# Altium PCB DSP_FPGA.PcbDoc (part 1 of 7) (continued)
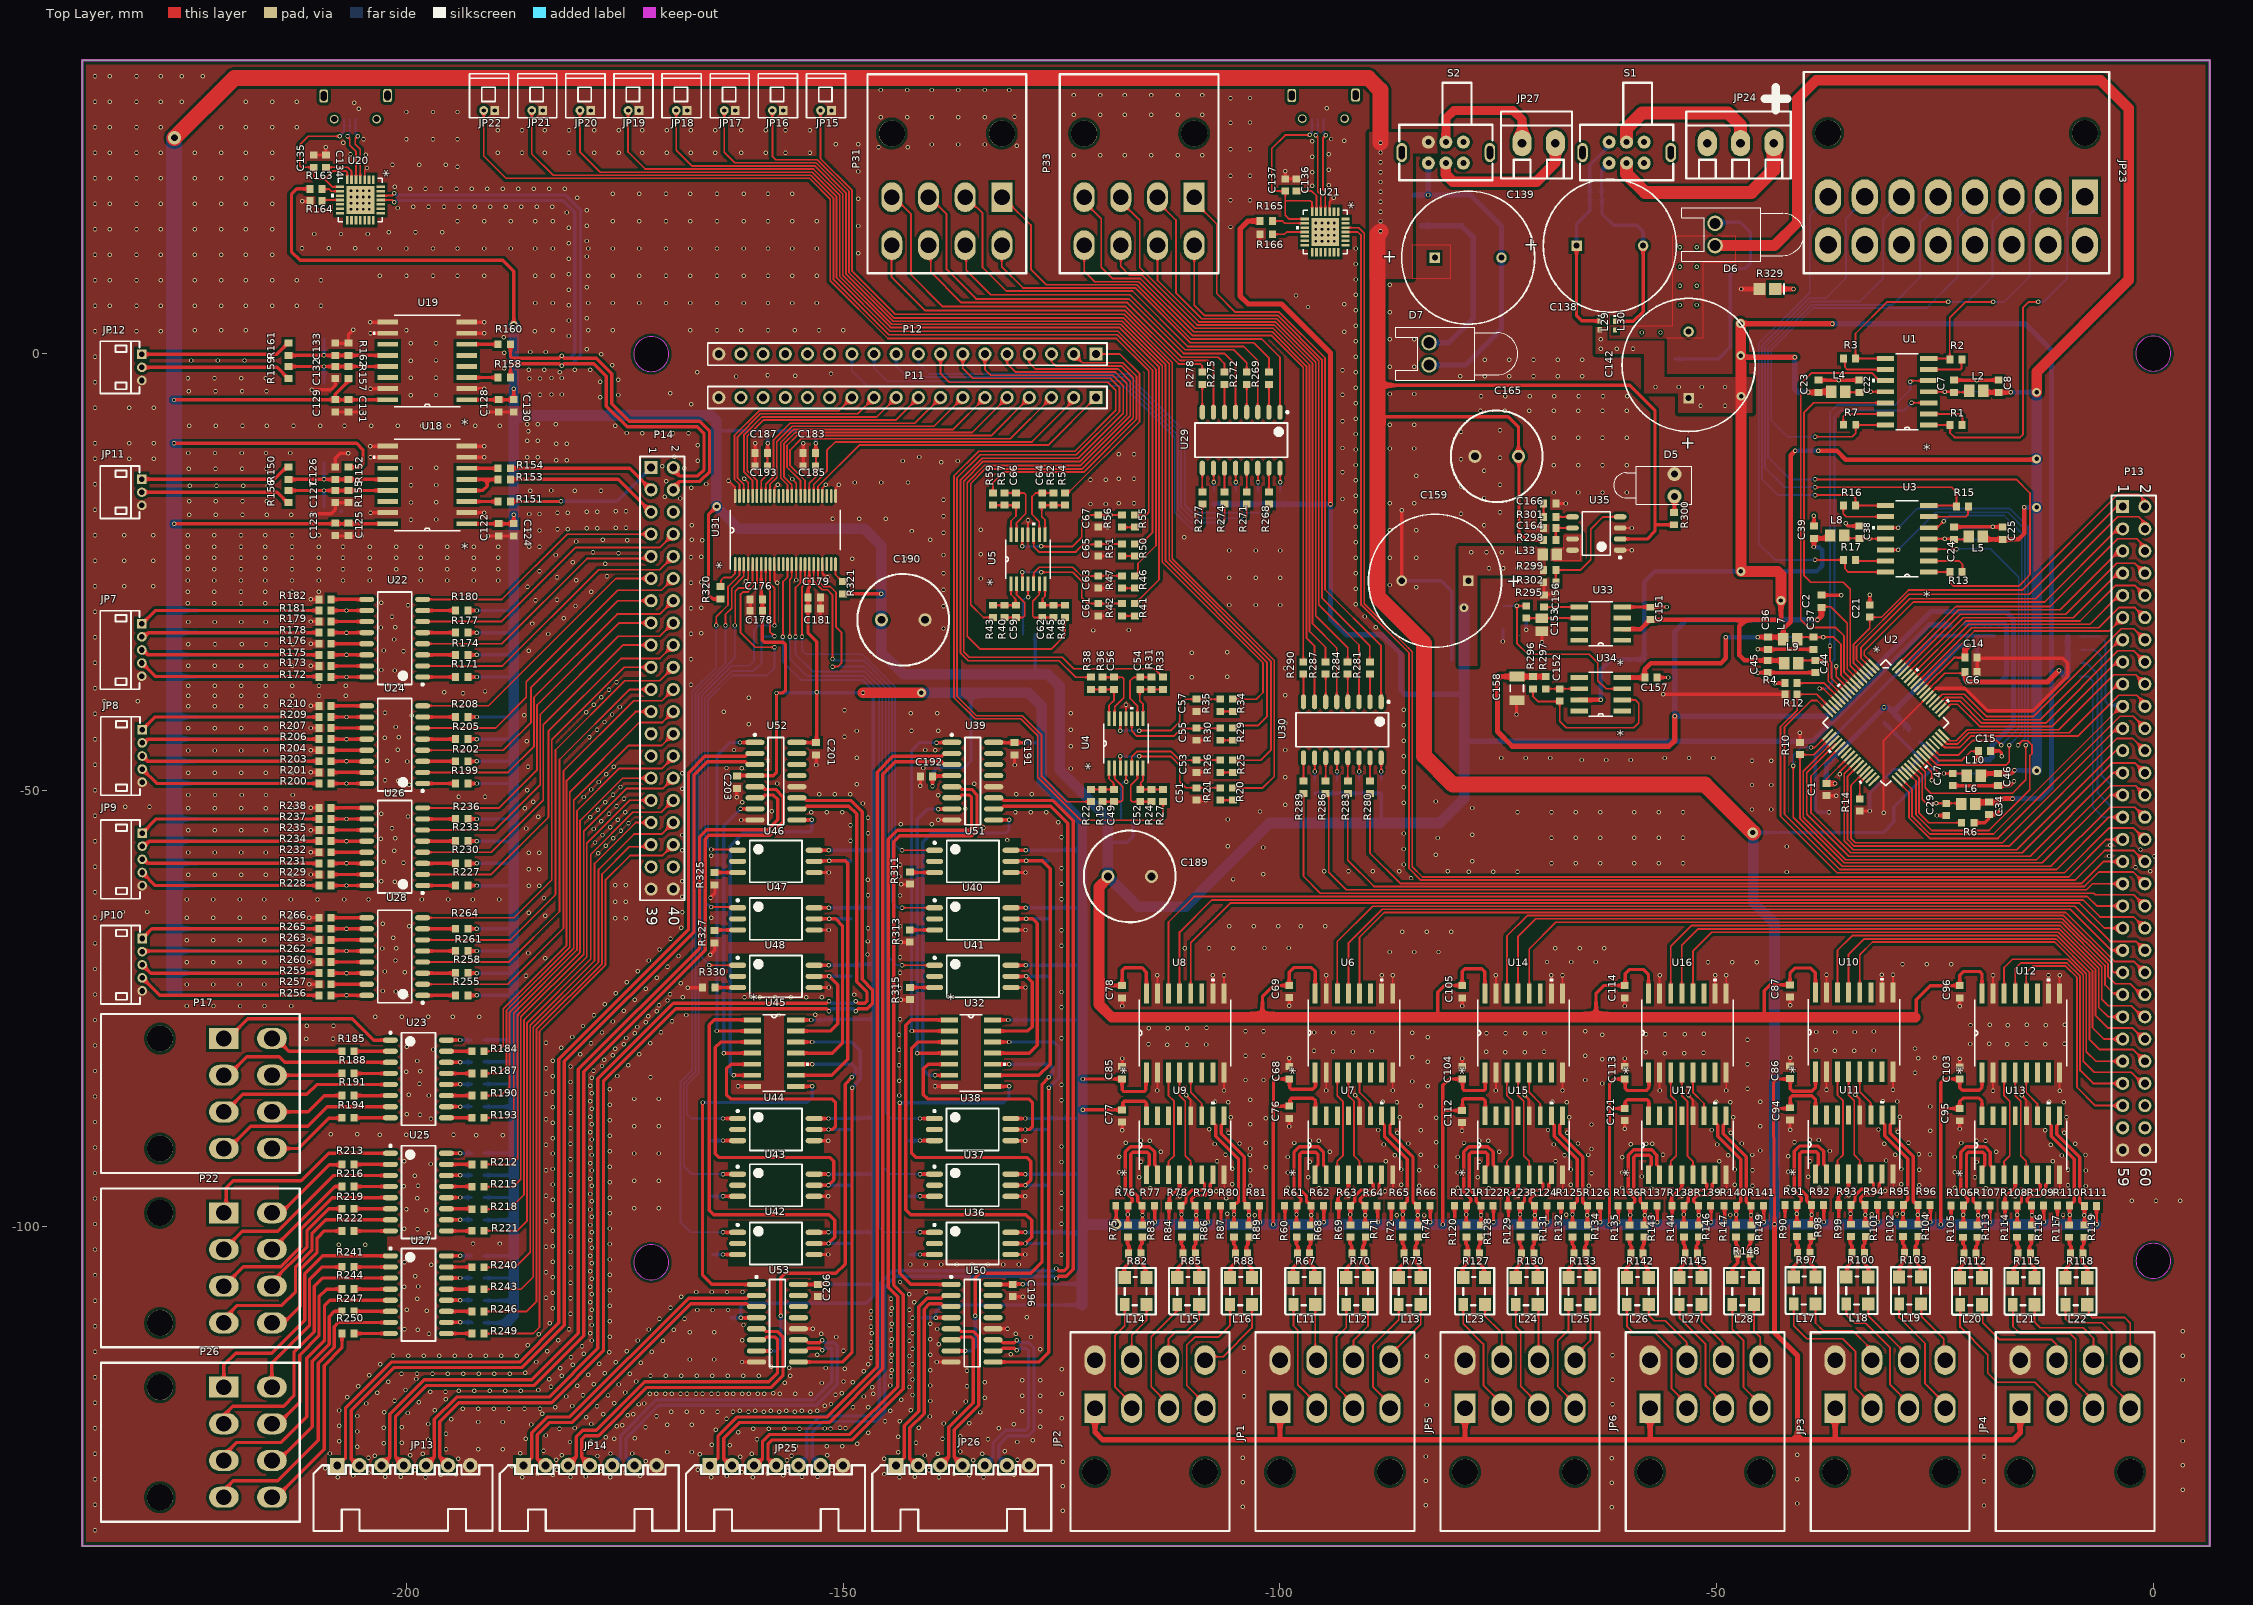
[diagram p0: Top Layer view]
## Components (designator, comment, footprint, x,y, rotation, side; value= is the part's Value field where it differs from the comment) (continued)
C140 "Cap" 1608[0603] -85.317,18.166 r180 bottom value=0.1uF
C141 "Cap" 1608[0603] -129.642,-77.002 r90 bottom value=0.1uF
C142 "Cap Pol1" RB7.6-15 -53.213,-1.295 r270 top value=100uF
C143 "Cap" 1608[0603] -63.83,18.047 r180 bottom value=0.1uF
C150 "Cap" 1608[0603] -57.582,-35.027 r180 bottom value=0.1uF
C151 "Cap" 1608[0603] -57.556,-29.743 r270 top value=1uF
C152 "Cap" 1608[0603] -67.97,-39.079 r270 top value=0.01uF
C153 "Cap" C0805 -70.028,-31.04 r90 top value=22uF
C154 "Cap" C1206 -74.447,-30.24 r90 bottom value=47uF
C155 "Cap" 1608[0603] -71.806,-29.59 r90 bottom value=0.1uF
C156 "Cap" 1608[0603] -69.778,-28.319 r270 top value=1uF
C157 "Cap" 1608[0603] -57.531,-37.084 r180 top value=0.1uF
C158 "Cap" C1206 -72.873,-38.329 r90 top value=47uF
C159 "Cap Pol1" RB7.6-15 -82.245,-26.01 r0 top value=470uF@16V
C160 "Cap" 1608[0603] -79.629,-30.307 r0 bottom value=10uF
C161 "Cap" 1608[0603] -79.629,-31.721 r0 bottom value=0.11uF
C162 "Cap" C0805 -79.629,-33.393 r0 bottom value=22uF@16V
C163 "Cap" 1608[0603] -79.629,-35.057 r0 bottom value=1uF
C164 "Cap" 1608[0603] -69.113,-19.964 r0 top value=1uF
C165 "Cap Pol1" RB5-10.5 -75.184,-11.76 r180 top value=22uF@16V
C166 "Cap" 1608[0603] -69.113,-17.17 r180 top value=1nF
C167 "Cap" 1608[0603] -62.382,2.692 r180 bottom value=0.1uF
C168 "Cap" 1608[0603] -125.095,-101.192 r90 bottom value=0.1uF
C169 "Cap" 1608[0603] -125.095,-94.525 r90 bottom value=0.1uF
C170 "Cap" 1608[0603] -125.095,-88.149 r90 bottom value=0.1uF
C171 "Cap" 1608[0603] -125.095,-57.443 r90 bottom value=0.1uF
C172 "Cap" 1608[0603] -125.095,-64.027 r90 bottom value=0.1uF
C173 "Cap" 1608[0603] -125.095,-70.611 r90 bottom value=0.1uF
C174 "Cap" 1608[0603] -147.637,-101.192 r90 bottom value=0.1uF
C175 "Cap" 1608[0603] -147.637,-94.525 r90 bottom value=0.1uF
C176 "Cap" 1608[0603] -159.969,-28.172 r180 top value=0.1uF
C177 "Cap" 1608[0603] -147.637,-88.149 r90 bottom value=0.1uF
C178 "Cap" 1608[0603] -159.969,-29.442 r180 top value=1uF
C179 "Cap" 1608[0603] -153.34,-27.927 r0 top value=0.1uF
C180 "Cap" 1608[0603] -147.637,-57.443 r90 bottom value=0.1uF
C181 "Cap" 1608[0603] -153.34,-29.197 r0 top value=1uF
C182 "Cap" 1608[0603] -152.184,-76.989 r90 bottom value=0.1uF
C183 "Cap" 1608[0603] -153.892,-11.392 r180 top value=0.1uF
C184 "Cap" 1608[0603] -147.637,-64.027 r90 bottom value=0.1uF
C185 "Cap" 1608[0603] -153.892,-12.916 r180 top value=1uF
C186 "Cap" 1608[0603] -147.637,-70.611 r90 bottom value=0.1uF
C187 "Cap" 1608[0603] -159.392,-11.392 r180 top value=0.1uF
C189 "Cap Pol1" RB5-10.5 -117.21,-59.868 r0 top value=22uF@16V
C190 "Cap Pol1" RB5-10.5 -143.142,-30.48 r0 top value=22uF@16V
C191 "Cap" 1608[0603] -130.391,-45.252 r90 top value=0.1uF
C192 "Cap" 1608[0603] -140.487,-48.412 r180 top value=0.1uF (schematic designator C104)
C193 "Cap" 1608[0603] -159.392,-12.916 r180 top value=0.1uF (schematic designator C105)
C196 "Cap" 1608[0603] -130.594,-107.278 r90 top value=10uF (schematic designator C108)
C198 "Cap" 1608[0603] -140.906,-111.088 r270 bottom value=10uF (schematic designator C110)
C201 "Cap" 1608[0603] -153.111,-45.252 r90 top value=0.1uF (schematic designator C113)
C203 "Cap" 1608[0603] -162.166,-49.073 r270 top value=10uF (schematic designator C115)
C206 "Cap" 1608[0603] -152.883,-107.278 r270 top value=10uF (schematic designator C118)
C207 "Cap" 1608[0603] -162.852,-111.088 r90 bottom value=10uF (schematic designator C119)
D1 "P6SMB6.8" DIODE_SMC -204.851,-11.735 r180 bottom
D2 "P6SMB6.8" DIODE_SMC -204.851,-18.136 r180 bottom
D3 "P6SMB6.8" DIODE_SMC -204.851,-4.14 r180 bottom
D4 "P6SMB6.8" DIODE_SMC -204.851,2.464 r180 bottom
D5 "LED@5V" LED-1 -54.826,-15.075 r180 top
D6 "LED0" LED-0 -50.178,13.64 r90 top
D7 "LED0" LED-0 -82.931,-0.025 r90 top
J1 "MICRO-USB-B" MICRO-USB-B -200.648,25.581 r180 bottom
J2 "MICRO-USB-B" MICRO-USB-B -89.802,25.629 r180 bottom
JP1 "Header 4X2" CONNECTOR5569R -99.991,-120.752 r0 top
JP2 "Header 4X2" CONNECTOR5569R -121.176,-120.752 r0 top
JP3 "Header 4X2" CONNECTOR5569R -36.434,-120.752 r0 top
JP4 "Header 4X2" CONNECTOR5569R -15.249,-120.752 r0 top
JP5 "Header 4X2" CONNECTOR5569R -78.805,-120.752 r0 top
JP6 "Header 4X2" CONNECTOR5569R -57.62,-120.752 r0 top
JP7 "HDR-1X5" ZH1.5-WI-5P -230.327,-33.936 r270 top
JP8 "HDR-1X5" ZH1.5-WI-5P -230.28,-46.076 r270 top
JP9 "HDR-1X5" ZH1.5-WI-5P -230.276,-57.912 r270 top
JP10 "HDR-1X5" ZH1.5-WI-5P -230.28,-69.977 r270 top
JP11 "HDR-1X3" ZH1.5-WI-3P -230.327,-15.875 r270 top
JP12 "HDR-1X3" ZH1.5-WI-3P -230.327,-1.575 r270 top
JP13 "HDR-1X7" XH2.54-WI-7P -200.33,-127.299 r0 top
JP14 "HDR-1X7" XH2.54-WI-7P -179.002,-127.299 r0 top
JP15 "HDR-1X2" "MX 1.25-WI-2P" -151.984,27.843 r180 top
JP16 "HDR-1X2" "MX 1.25-WI-2P" -157.493,27.843 r180 top
JP17 "HDR-1X2" "MX 1.25-WI-2P" -163.003,27.843 r180 top
JP18 "HDR-1X2" "MX 1.25-WI-2P" -168.512,27.843 r180 top
JP19 "HDR-1X2" "MX 1.25-WI-2P" -174.022,27.843 r180 top
JP20 "HDR-1X2" "MX 1.25-WI-2P" -179.532,27.843 r180 top
JP21 "HDR-1X2" "MX 1.25-WI-2P" -185.041,27.843 r180 top
JP22 "HDR-1X2" "MX 1.25-WI-2P" -190.551,27.843 r180 top
JP23 "Header 8X2" CONNECTOR558916PIN -7.834,17.957 r180 top
JP24 "HDR-1X3" KF128-3.81-3P -47.257,24.092 r0 top
JP25 "HDR-1X7" XH2.54-WI-7P -157.675,-127.299 r0 top
JP26 "HDR-1X7" XH2.54-WI-7P -136.347,-127.299 r0 top
JP27 "HDR-1X2" KF128-3.81-2P -70.371,24.092 r0 top
L1 "Inductor" 2029 -22.504,-31.115 r0 bottom value=10mH
L2 "Inductor" 2029 -20.273,-4.242 r180 top value=10mH
L3 "Inductor" 2029 -27.432,-43.917 r135 bottom value=10mH
L4 "Inductor" 2029 -36.068,-4.369 r180 top value=10mH
L5 "Inductor" 2029 -20.32,-20.955 r180 top value=10mH
L6 "Inductor" 2029 -21.209,-51.562 r0 top value=10mH
L7 "Inductor" 2029 -41.565,-32.717 r0 top value=10mH
L8 "Inductor" 2029 -36.195,-20.828 r180 top value=10mH
L9 "Inductor" 2029 -41.481,-35.446 r180 top value=10mH
L10 "Inductor" 2029 -20.549,-48.336 r180 top value=10mH
L11 "ACM3225-601-2P" ACM3225-601-2P -95.254,-109.654 r90 top
L12 "ACM3225-601-2P" ACM3225-601-2P -89.224,-109.654 r90 top
L13 "ACM3225-601-2P" ACM3225-601-2P -83.188,-109.654 r90 top
L14 "ACM3225-601-2P" ACM3225-601-2P -114.584,-109.654 r90 top
L15 "ACM3225-601-2P" ACM3225-601-2P -108.553,-109.654 r90 top
L16 "ACM3225-601-2P" ACM3225-601-2P -102.517,-109.654 r90 top
L17 "ACM3225-601-2P" ACM3225-601-2P -37.978,-109.577 r90 top
L18 "ACM3225-601-2P" ACM3225-601-2P -31.947,-109.577 r90 top
L19 "ACM3225-601-2P" ACM3225-601-2P -25.911,-109.577 r90 top
L20 "ACM3225-601-2P" ACM3225-601-2P -18.921,-109.666 r90 top
L21 "ACM3225-601-2P" ACM3225-601-2P -12.891,-109.666 r90 top
L22 "ACM3225-601-2P" ACM3225-601-2P -6.855,-109.666 r90 top
L23 "ACM3225-601-2P" ACM3225-601-2P -75.823,-109.654 r90 top
L24 "ACM3225-601-2P" ACM3225-601-2P -69.793,-109.654 r90 top value=10uF
L25 "ACM3225-601-2P" ACM3225-601-2P -63.757,-109.654 r90 top
L26 "ACM3225-601-2P" ACM3225-601-2P -57.078,-109.654 r90 top
L27 "ACM3225-601-2P" ACM3225-601-2P -51.048,-109.654 r90 top
L28 "ACM3225-601-2P" ACM3225-601-2P -45.012,-109.654 r90 top
L29 "Inductor" 0402-A -63.398,3.226 r270 top value=10mH
L30 "Inductor" 0402-A -61.646,3.208 r270 top value=10mH
L33 "Inductor" 2029 -69.113,-23.012 r180 top (schematic designator L24)
P11 "Header 18" HDR1X18 -121.082,-5.029 r180 top locked
P12 "Header 18" HDR1X18 -121.082,-0.051 r180 top locked
P13 "Header 30X2" HDR2X30 -3.505,-17.526 r270 top locked
P14 "Header 20X2" HDR2X20 -172.009,-13.056 r270 top locked
P17 "Header 8" CONNECTOR5569R -220.929,-78.426 r270 top
P22 "Header 8" CONNECTOR5569R -220.929,-98.386 r270 top
P26 "Header 8" CONNECTOR5569R -220.929,-118.346 r270 top
P31 "Header 8" CONNECTOR5569R -131.842,17.907 r180 top
P33 "Header 8" CONNECTOR5569R -109.824,17.907 r180 top
R1 "Res1" 1608[0603] -22.606,-8.179 r180 top value=1K
R2 "Res1" 1608[0603] -22.606,-0.686 r180 top value=1K
R3 "Res1" 1608[0603] -34.798,-0.559 r0 top value=1K
R4 "Res1" 1608[0603] -41.481,-37.732 r180 top value="0Ω NC"
R5 "Res1" 1608[0603] -9.096,-35.446 r0 bottom value=10K
R6 "Res1" 1608[0603] -21.236,-53.721 r0 top value="0Ω NC"
R7 "Res1" 1608[0603] -34.773,-8.153 r0 top value=1K
R8 "Res1" 1608[0603] -9.096,-33.922 r0 bottom value=10K
R9 "Res1" 1608[0603] -9.096,-36.97 r180 bottom value=15K
R10 "Res1" 1608[0603] -40.465,-45.225 r90 top value=10K
R11 "Res1" 1608[0603] -9.096,-32.398 r180 bottom value=10K
R12 "Res1" 1608[0603] -41.481,-39.002 r180 top value=10K
R13 "Res1" 1608[0603] -22.606,-25.019 r180 top value=1K
R14 "Res1" 1608[0603] -33.607,-51.702 r90 top value="0Ω NC"
R15 "Res1" 1608[0603] -21.844,-17.526 r180 top value=1K
R16 "Res1" 1608[0603] -34.798,-17.399 r0 top value=1K
R17 "Res1" 1608[0603] -34.798,-23.622 r180 top value=1K
R18 "Res1" 1608[0603] -117.5,-53.25 r0 bottom value=10
R19 "Res1" 1608[0603] -120.32,-50.608 r270 top value=2.5k
R20 "Res1" 1608[0603] -105.385,-50.43 r90 top value=5k@0.1%
R21 "Res1" 1608[0603] -106.845,-50.43 r270 top value=2k@0.1%
R22 "Res1" 1608[0603] -121.641,-50.608 r270 top value=0
R23 "Res1" 1608[0603] -106.845,-50.43 r270 bottom value=3k@0.1%
R24 "Res1" 1608[0603] -114.694,-50.608 r270 top value=2.5k
R25 "Res1" 1608[0603] -105.385,-47.255 r90 top value=5k@0.1%
R26 "Res1" 1608[0603] -106.845,-47.255 r270 top value=2k@0.1%
R27 "Res1" 1608[0603] -113.386,-50.608 r270 top value=0
R28 "Res1" 1608[0603] -106.845,-47.255 r270 bottom value=3k@0.1%
R29 "Res1" 1608[0603] -105.385,-43.572 r90 top value=5k@0.1%
R30 "Res1" 1608[0603] -106.845,-43.572 r270 top value=2k@0.1%
R31 "Res1" 1608[0603] -114.694,-37.756 r90 top value=2.5k
R32 "Res1" 1608[0603] -106.845,-43.572 r270 bottom value=3k@0.1%
R33 "Res1" 1608[0603] -113.386,-37.756 r90 top value=0
R34 "Res1" 1608[0603] -105.385,-40.27 r90 top value=5k@0.1%
R35 "Res1" 1608[0603] -106.845,-40.27 r270 top value=2k@0.1%
R36 "Res1" 1608[0603] -120.32,-37.756 r90 top value=2.5k
R37 "Res1" 1608[0603] -106.845,-40.27 r270 bottom value=3k@0.1%
R38 "Res1" 1608[0603] -121.641,-37.756 r90 top value=0
R39 "Res1" 1608[0603] -128.727,-32.182 r0 bottom value=10
R40 "Res1" 1608[0603] -131.547,-29.515 r270 top value=2.5k
R41 "Res1" 1608[0603] -116.611,-29.337 r90 top value=5k@0.1%
R42 "Res1" 1608[0603] -118.072,-29.337 r270 top value=2k@0.1%
R43 "Res1" 1608[0603] -132.867,-29.515 r270 top value=0
R44 "Res1" 1608[0603] -118.072,-29.337 r270 bottom value=3k@0.1%
R45 "Res1" 1608[0603] -125.921,-29.515 r270 top value=2.5k
R46 "Res1" 1608[0603] -116.611,-26.162 r90 top value=5k@0.1%
R47 "Res1" 1608[0603] -118.072,-26.162 r270 top value=2k@0.1%
R48 "Res1" 1608[0603] -124.612,-29.515 r270 top value=0
R49 "Res1" 1608[0603] -118.072,-26.162 r270 bottom value=3k@0.1%
R50 "Res1" 1608[0603] -116.611,-22.479 r90 top value=5k@0.1%
R51 "Res1" 1608[0603] -118.072,-22.479 r270 top value=2k@0.1%
R52 "Res1" 1608[0603] -125.92,-16.662 r90 top value=2.5k
R53 "Res1" 1608[0603] -118.072,-22.479 r270 bottom value=3k@0.1%
R54 "Res1" 1608[0603] -124.612,-16.662 r90 top value=0
R55 "Res1" 1608[0603] -116.611,-19.177 r90 top value=5k@0.1%
R56 "Res1" 1608[0603] -118.072,-19.177 r270 top value=2k@0.1%
R57 "Res1" 1608[0603] -131.547,-16.662 r90 top value=2.5k
R58 "Res1" 1608[0603] -118.072,-19.177 r270 bottom value=3k@0.1%
R59 "Res1" 1608[0603] -132.867,-16.662 r90 top value=0
R60 "Res1" 1608[0603] -98.082,-100.47 r90 top value=100
R61 "Res1" 1608[0603] -98.775,-97.574 r180 top value=10K
R62 "Res1" 1608[0603] -95.728,-97.574 r0 top value=10K
R63 "Res1" 1608[0603] -92.613,-97.574 r180 top value=10K
R64 "Res1" 1608[0603] -89.573,-97.574 r0 top value=10K
R65 "Res1" 1608[0603] -86.607,-97.574 r180 top value=10K
R66 "Res1" 1608[0603] -83.528,-97.574 r0 top value=10K
R67 "Res1" 1608[0603] -97.295,-103.035 r180 top value=300
R68 "Res1" 1608[0603] -96.431,-100.47 r90 top value=100
R69 "Res1" 1608[0603] -91.91,-100.47 r90 top value=100
R70 "Res1" 1608[0603] -91.072,-103.035 r180 top value=300
R71 "Res1" 1608[0603] -90.183,-100.47 r90 top value=100
R72 "Res1" 1608[0603] -85.941,-100.47 r90 top value=100
R73 "Res1" 1608[0603] -85.077,-103.035 r180 top value=300
R74 "Res1" 1608[0603] -84.188,-100.47 r90 top value=100
R75 "Res1" 1608[0603] -117.411,-100.47 r90 top value=100
R76 "Res1" 1608[0603] -118.105,-97.574 r180 top value=10K
R77 "Res1" 1608[0603] -115.093,-97.574 r0 top value=10K
R78 "Res1" 1608[0603] -112.052,-97.574 r180 top value=10K
R79 "Res1" 1608[0603] -109.004,-97.574 r0 top value=10K
R80 "Res1" 1608[0603] -106.108,-97.574 r180 top value=10K
R81 "Res1" 1608[0603] -103.06,-97.574 r0 top value=10K
R82 "Res1" 1608[0603] -116.624,-103.035 r180 top value=300
R83 "Res1" 1608[0603] -115.76,-100.47 r90 top value=100
R84 "Res1" 1608[0603] -111.239,-100.47 r90 top value=100
R85 "Res1" 1608[0603] -110.401,-103.035 r180 top value=300
R86 "Res1" 1608[0603] -109.512,-100.47 r90 top value=100
R87 "Res1" 1608[0603] -105.27,-100.47 r90 top value=100
R88 "Res1" 1608[0603] -104.407,-103.035 r180 top value=300
R89 "Res1" 1608[0603] -103.518,-100.47 r90 top value=100
R90 "Res1" 1608[0603] -40.806,-100.393 r90 top value=100
R91 "Res1" 1608[0603] -41.499,-97.473 r180 top value=10K
R92 "Res1" 1608[0603] -38.451,-97.473 r0 top value=10K
R93 "Res1" 1608[0603] -35.337,-97.473 r180 top value=10K
R94 "Res1" 1608[0603] -32.297,-97.473 r0 top value=10K
R95 "Res1" 1608[0603] -29.331,-97.473 r180 top value=10K
R96 "Res1" 1608[0603] -26.251,-97.473 r0 top value=10K
R97 "Res1" 1608[0603] -40.018,-102.959 r180 top value=300
R98 "Res1" 1608[0603] -39.155,-100.393 r90 top value=100
R99 "Res1" 1608[0603] -34.633,-100.393 r90 top value=100
R100 "Res1" 1608[0603] -33.795,-102.959 r180 top value=300
R101 "Res1" 1608[0603] -32.906,-100.393 r90 top value=100
R102 "Res1" 1608[0603] -28.664,-100.393 r90 top value=100
R103 "Res1" 1608[0603] -27.801,-102.959 r180 top value=300
R104 "Res1" 1608[0603] -26.912,-100.393 r90 top value=100
R105 "Res1" 1608[0603] -21.78,-100.482 r90 top value=100
R106 "Res1" 1608[0603] -22.448,-97.561 r180 top value=10K
R107 "Res1" 1608[0603] -19.401,-97.561 r0 top value=10K
R108 "Res1" 1608[0603] -16.286,-97.561 r180 top value=10K
R109 "Res1" 1608[0603] -13.246,-97.561 r0 top value=10K
R110 "Res1" 1608[0603] -10.28,-97.561 r180 top value=10K
R111 "Res1" 1608[0603] -7.201,-97.587 r0 top value=10K
R112 "Res1" 1608[0603] -20.993,-103.048 r180 top value=300
R113 "Res1" 1608[0603] -20.13,-100.482 r90 top value=100
R114 "Res1" 1608[0603] -15.608,-100.482 r90 top value=100
R115 "Res1" 1608[0603] -14.77,-103.048 r180 top value=300
R116 "Res1" 1608[0603] -13.881,-100.482 r90 top value=100
R117 "Res1" 1608[0603] -9.639,-100.482 r90 top value=100
R118 "Res1" 1608[0603] -8.776,-103.048 r180 top value=300
R119 "Res1" 1608[0603] -7.887,-100.482 r90 top value=100
R120 "Res1" 1608[0603] -78.651,-100.47 r90 top value=0.1uF (schematic designator C192)
R121 "Res1" 1608[0603] -79.344,-97.574 r180 top value=1uF (schematic designator C193)
R122 "Res1" 1608[0603] -76.297,-97.574 r0 top value=10uF
R123 "Res1" 1608[0603] -73.182,-97.574 r180 top value=10K
R124 "Res1" 1608[0603] -70.142,-97.574 r0 top value=10K
R125 "Res1" 1608[0603] -67.176,-97.574 r180 top value=10K
R126 "Res1" 1608[0603] -64.097,-97.574 r0 top value=10K
R127 "Res1" 1608[0603] -77.864,-103.035 r180 top value=300
R128 "Res1" 1608[0603] -77,-100.47 r90 top value=100
R129 "Res1" 1608[0603] -72.479,-100.47 r90 top value=100
R130 "Res1" 1608[0603] -71.641,-103.035 r180 top value=300
R131 "Res1" 1608[0603] -70.752,-100.47 r90 top value=100
R132 "Res1" 1608[0603] -66.51,-100.47 r90 top value=100
R133 "Res1" 1608[0603] -65.646,-103.035 r180 top value=300
R134 "Res1" 1608[0603] -64.757,-100.47 r90 top value=100
R135 "Res1" 1608[0603] -59.982,-100.47 r90 top value=100
R136 "Res1" 1608[0603] -60.599,-97.574 r180 top value=10K
R137 "Res1" 1608[0603] -57.551,-97.574 r0 top value=10K
R138 "Res1" 1608[0603] -54.437,-97.574 r180 top value=10K
R139 "Res1" 1608[0603] -51.397,-97.574 r0 top value=10K
R140 "Res1" 1608[0603] -48.431,-97.574 r180 top value=10K
R141 "Res1" 1608[0603] -45.352,-97.574 r0 top value=10K
R142 "Res1" 1608[0603] -59.118,-103.035 r180 top value=300
R143 "Res1" 1608[0603] -58.255,-100.47 r90 top value=100
R144 "Res1" 1608[0603] -53.734,-100.47 r90 top value=100
R145 "Res1" 1608[0603] -52.895,-103.035 r180 top value=300
R146 "Res1" 1608[0603] -52.006,-100.47 r90 top value=100
R147 "Res1" 1608[0603] -47.765,-100.47 r90 top value=100
R148 "Res1" 1608[0603] -46.901,-103.035 r180 top value=300
R149 "Res1" 1608[0603] -46.012,-100.47 r90 top value=100
R150 "Res1" 1608[0603] -213.538,-13.702 r270 top value=10
R151 "Res1" 1608[0603] -188.812,-16.942 r180 top value=0
R152 "Res1" 1608[0603] -206.654,-13.702 r90 top value=1K
R153 "Res1" 1608[0603] -188.812,-14.402 r180 top value=0
R154 "Res1" 1608[0603] -188.812,-13.132 r180 top value=0
R155 "Res1" 1608[0603] -206.654,-16.372 r90 top value=1K
R156 "Res1" 1608[0603] -213.538,-16.372 r90 top value=10
R157 "Res1" 1608[0603] -206.654,-2.173 r270 top value="10K  NC"
R158 "Res1" 1608[0603] -188.812,-2.743 r180 top value=0
R159 "Res1" 1608[0603] -213.538,-2.173 r90 top value=10
R160 "Res1" 1608[0603] -188.812,1.067 r180 top value=0
R161 "Res1" 1608[0603] -213.538,0.497 r270 top value=10
R162 "Res1" 1608[0603] -206.654,0.497 r270 top value="10K  NC"
R163 "Res1" 1608[0603] -210.388,18.86 r0 top value=4.7K
R164 "Res1" 1608[0603] -210.388,17.462 r0 top value=10K
R165 "Res1" 1608[0603] -101.575,15.173 r0 top value=4.7K
R166 "Res1" 1608[0603] -101.575,13.665 r0 top value=10K
R167 "Res1" 1608[0603] -209.347,-37.033 r180 bottom value=10k
R168 "Res1" 1608[0603] -209.347,-34.493 r180 bottom value=10k
R169 "Res1" 1608[0603] -209.347,-31.953 r180 bottom value=10k
R170 "Res1" 1608[0603] -209.347,-29.413 r180 bottom value=10k
R171 "Res1" 1608[0603] -193.693,-37.033 r180 top value=330
R172 "Res1" 1608[0603] -209.347,-37.033 r180 top value=0
R173 "Res1" 1608[0603] -209.347,-35.763 r180 top value=330
R174 "Res1" 1608[0603] -193.693,-34.493 r180 top value=330
R175 "Res1" 1608[0603] -209.347,-34.493 r180 top value=0
R176 "Res1" 1608[0603] -209.347,-33.223 r180 top value=330
R177 "Res1" 1608[0603] -193.693,-31.953 r180 top value=330
R178 "Res1" 1608[0603] -209.347,-31.953 r180 top value=0
R179 "Res1" 1608[0603] -209.347,-30.683 r180 top value=330
R180 "Res1" 1608[0603] -193.693,-29.413 r180 top value=330
R181 "Res1" 1608[0603] -209.347,-29.413 r180 top value=0
R182 "Res1" 1608[0603] -209.347,-28.143 r180 top value=330
R183 "Res1" 1608[0603] -191.821,-78.613 r180 bottom value=330
R184 "Res1" 1608[0603] -191.821,-79.883 r180 top value=0
R185 "Res1" 1608[0603] -206.705,-79.883 r180 top value=330
R186 "Res1" 1608[0603] -191.821,-81.153 r180 bottom value=330
R187 "Res1" 1608[0603] -191.821,-82.423 r180 top value=0
R188 "Res1" 1608[0603] -206.705,-82.423 r180 top value=330
R189 "Res1" 1608[0603] -191.821,-83.7 r180 bottom value=330
R190 "Res1" 1608[0603] -191.821,-84.963 r180 top value=0
R191 "Res1" 1608[0603] -206.705,-84.963 r180 top value=330
R192 "Res1" 1608[0603] -191.821,-86.233 r180 bottom value=330
R193 "Res1" 1608[0603] -191.821,-87.503 r180 top value=0
R194 "Res1" 1608[0603] -206.705,-87.503 r180 top value=330
R195 "Res1" 1608[0603] -209.347,-49.225 r180 bottom value=10k
R196 "Res1" 1608[0603] -209.347,-46.685 r180 bottom value=10k
R197 "Res1" 1608[0603] -209.347,-44.145 r180 bottom value=10k
R198 "Res1" 1608[0603] -209.347,-41.605 r180 bottom value=10k
R199 "Res1" 1608[0603] -193.693,-49.225 r180 top value=330
R200 "Res1" 1608[0603] -209.347,-49.225 r180 top value=0
R201 "Res1" 1608[0603] -209.347,-47.955 r180 top value=330
R202 "Res1" 1608[0603] -193.693,-46.685 r180 top value=330
R203 "Res1" 1608[0603] -209.347,-46.685 r180 top value=0
R204 "Res1" 1608[0603] -209.347,-45.415 r180 top value=330
R205 "Res1" 1608[0603] -193.693,-44.145 r180 top value=330
R206 "Res1" 1608[0603] -209.347,-44.145 r180 top value=0
R207 "Res1" 1608[0603] -209.347,-42.875 r180 top value=330
R208 "Res1" 1608[0603] -193.693,-41.605 r180 top value=330
R209 "Res1" 1608[0603] -209.347,-41.605 r180 top value=0
R210 "Res1" 1608[0603] -209.347,-40.335 r180 top value=330
R211 "Res1" 1608[0603] -191.821,-91.592 r180 bottom value=330
R212 "Res1" 1608[0603] -191.821,-92.837 r180 top value=0
R213 "Res1" 1608[0603] -206.705,-92.837 r180 top value=330
R214 "Res1" 1608[0603] -191.821,-94.132 r180 bottom value=330
R215 "Res1" 1608[0603] -191.821,-95.402 r180 top value=0
R216 "Res1" 1608[0603] -206.705,-95.377 r180 top value=330
R217 "Res1" 1608[0603] -191.821,-96.698 r180 bottom value=330
R218 "Res1" 1608[0603] -191.821,-97.968 r180 top value=0
R219 "Res1" 1608[0603] -206.705,-97.917 r180 top value=330
R220 "Res1" 1608[0603] -191.821,-99.212 r180 bottom value=330
R221 "Res1" 1608[0603] -191.821,-100.432 r180 top value=0
R222 "Res1" 1608[0603] -206.705,-100.457 r180 top value=330
R223 "Res1" 1608[0603] -209.347,-60.909 r180 bottom value=10k
R224 "Res1" 1608[0603] -209.347,-58.369 r180 bottom value=10k
R225 "Res1" 1608[0603] -209.347,-55.829 r180 bottom value=10k
R226 "Res1" 1608[0603] -209.347,-53.289 r180 bottom value=10k
R227 "Res1" 1608[0603] -193.693,-60.909 r180 top value=330
R228 "Res1" 1608[0603] -209.347,-60.909 r180 top value=0
R229 "Res1" 1608[0603] -209.347,-59.639 r180 top value=330
R230 "Res1" 1608[0603] -193.693,-58.369 r180 top value=330
R231 "Res1" 1608[0603] -209.347,-58.369 r180 top value=0
R232 "Res1" 1608[0603] -209.347,-57.099 r180 top value=330
R233 "Res1" 1608[0603] -193.693,-55.829 r180 top value=330
R234 "Res1" 1608[0603] -209.347,-55.829 r180 top value=0
R235 "Res1" 1608[0603] -209.347,-54.559 r180 top value=330
R236 "Res1" 1608[0603] -193.693,-53.289 r180 top value=330
R237 "Res1" 1608[0603] -209.347,-53.289 r180 top value=0
R238 "Res1" 1608[0603] -209.347,-52.019 r180 top value=330
R239 "Res1" 1608[0603] -191.821,-103.302 r180 bottom value=330
R240 "Res1" 1608[0603] -191.821,-104.623 r180 top value=0
R241 "Res1" 1608[0603] -206.705,-104.585 r180 top value=330
R242 "Res1" 1608[0603] -191.821,-105.842 r180 bottom value=330
R243 "Res1" 1608[0603] -191.821,-107.137 r180 top value=0
R244 "Res1" 1608[0603] -206.705,-107.125 r180 top value=330
R245 "Res1" 1608[0603] -191.821,-108.433 r180 bottom value=330
R246 "Res1" 1608[0603] -191.821,-109.677 r180 top value=0
R247 "Res1" 1608[0603] -206.705,-109.665 r180 top value=330
R248 "Res1" 1608[0603] -191.821,-110.973 r180 bottom value=330
R249 "Res1" 1608[0603] -191.821,-112.217 r180 top value=0
R250 "Res1" 1608[0603] -206.705,-112.217 r180 top value=330
R251 "Res1" 1608[0603] -209.347,-73.482 r180 bottom value=10k
R252 "Res1" 1608[0603] -209.347,-70.942 r180 bottom value=10k
R253 "Res1" 1608[0603] -209.347,-68.402 r180 bottom value=10k
R254 "Res1" 1608[0603] -209.347,-65.862 r180 bottom value=10k
R255 "Res1" 1608[0603] -193.693,-73.482 r180 top value=330
R256 "Res1" 1608[0603] -209.347,-73.482 r180 top value=0
R257 "Res1" 1608[0603] -209.347,-72.212 r180 top value=330
R258 "Res1" 1608[0603] -193.693,-70.942 r180 top value=330
R259 "Res1" 1608[0603] -209.347,-70.942 r180 top value=0
R260 "Res1" 1608[0603] -209.347,-69.672 r180 top value=330
R261 "Res1" 1608[0603] -193.693,-68.402 r180 top value=330
R262 "Res1" 1608[0603] -209.347,-68.402 r180 top value=0
R263 "Res1" 1608[0603] -209.347,-67.132 r180 top value=330
R264 "Res1" 1608[0603] -193.693,-65.862 r180 top value=330
R265 "Res1" 1608[0603] -209.347,-65.862 r180 top value=0
R266 "Res1" 1608[0603] -209.347,-64.592 r180 top value=330
R267 "Res1" 1608[0603] -100,-16.535 r90 bottom value=330
R268 "Res1" 1608[0603] -101.27,-16.535 r90 top value=0
R269 "Res1" 1608[0603] -101.27,-2.819 r90 top value=330
R270 "Res1" 1608[0603] -102.54,-16.535 r90 bottom value=330
R271 "Res1" 1608[0603] -103.81,-16.535 r90 top value=0
R272 "Res1" 1608[0603] -103.81,-2.819 r90 top value=330
R273 "Res1" 1608[0603] -105.08,-16.535 r90 bottom value=330
R274 "Res1" 1608[0603] -106.35,-16.535 r90 top value=0
R275 "Res1" 1608[0603] -106.35,-2.819 r90 top value=330
R276 "Res1" 1608[0603] -107.62,-16.535 r90 bottom value=330
R277 "Res1" 1608[0603] -108.89,-16.535 r90 top value=0
R278 "Res1" 1608[0603] -108.89,-2.819 r90 top value=330
R279 "Res1" 1608[0603] -88.417,-49.643 r90 bottom value=330
R280 "Res1" 1608[0603] -89.687,-49.643 r90 top value=0
R281 "Res1" 1608[0603] -89.713,-35.992 r90 top value=330
R282 "Res1" 1608[0603] -90.957,-49.643 r90 bottom value=330
R283 "Res1" 1608[0603] -92.227,-49.643 r90 top value=0
R284 "Res1" 1608[0603] -92.253,-35.992 r90 top value=330
R285 "Res1" 1608[0603] -93.497,-49.643 r90 bottom value=330
R286 "Res1" 1608[0603] -94.767,-49.643 r90 top value=0
R287 "Res1" 1608[0603] -94.793,-35.992 r90 top value=330
R288 "Res1" 1608[0603] -96.037,-49.643 r90 bottom value=330
R289 "Res1" 1608[0603] -97.307,-49.643 r90 top value=0
R290 "Res1" 1608[0603] -97.333,-35.992 r90 top value=330
R291 "Res1" 14-1210 -85.115,14.643 r0 bottom value=1kΩ
R295 "Res1" 1608[0603] -71.806,-29.589 r270 top value=10
R296 "Res1" 1608[0603] -71.018,-37.679 r270 top value=49.9
R297 "Res1" 1608[0603] -69.571,-37.679 r270 top value=100
R298 "Res1" 1608[0603] -69.113,-21.361 r180 top value=1K
R299 "Res1" 1608[0603] -69.113,-24.79 r0 top value=31.6K
R300 "Res1" 1608[0603] -54.864,-18.898 r270 top value=470
R301 "Res1" 1608[0603] -69.113,-18.694 r0 top value=20K
R302 "Res1" 1608[0603] -69.113,-26.187 r180 top value=10K
R303 "Res1" 14-1210 -56.185,-0.622 r0 bottom value=1kΩ
R304 "Res1" 1608[0603] -126.594,-101.192 r270 bottom value=4.7K
R305 "Res1" 1608[0603] -142.38,-102.462 r90 bottom value=100
R306 "Res1" 1608[0603] -126.594,-94.525 r270 bottom value=4.7K
R307 "Res1" 1608[0603] -142.38,-95.795 r90 bottom value=100
R308 "Res1" 1608[0603] -126.594,-88.149 r270 bottom value=4.7K
R309 "Res1" 1608[0603] -142.38,-89.421 r90 bottom value=100
R310 "Res1" 1608[0603] -126.594,-57.443 r270 bottom value=4.7K
R311 "Res1" 1608[0603] -142.38,-60.058 r270 top value=100
R312 "Res1" 1608[0603] -126.594,-64.027 r270 bottom value=4.7K
R313 "Res1" 1608[0603] -142.392,-66.688 r270 top value=100
R314 "Res1" 1608[0603] -126.594,-70.61 r270 bottom value=4.7K
R315 "Res1" 1608[0603] -142.38,-73.265 r270 top value=100
R316 "Res1" 1608[0603] -149.136,-101.192 r270 bottom value=4.7K
R317 "Res1" 1608[0603] -164.922,-102.462 r90 bottom value=100
R318 "Res1" 1608[0603] -149.136,-94.525 r270 bottom value=4.7K
R319 "Res1" 1608[0603] -164.922,-95.795 r90 bottom value=100
R320 "Res1" 1608[0603] -164.059,-27.394 r270 top value=100
R321 "Res1" 1608[0603] -150.038,-26.81 r270 top value=100
R322 "Res1" 1608[0603] -149.136,-88.149 r270 bottom value=4.7K
R323 "Res1" 1608[0603] -164.922,-89.419 r90 bottom value=100
R324 "Res1" 1608[0603] -149.136,-57.443 r270 bottom value=4.7K
R325 "Res1" 1608[0603] -164.732,-60.122 r270 top value=100
R326 "Res1" 1608[0603] -149.136,-64.027 r270 bottom value=4.7K
R327 "Res1" 1608[0603] -164.732,-66.777 r270 top value=100
R328 "Res1" 1608[0603] -149.136,-70.61 r270 bottom value=100 (schematic designator R120)
R329 "Res1" C2512 -44.196,7.391 r180 top value=10K (schematic designator R121)
R330 "Res1" 1608[0603] -165.417,-72.581 r180 top value=10K (schematic designator R122)
S1 "SK-22D02" SK-22D02 -60.306,23.019 r180 top
S2 "SK-22D02" SK-22D02 -81.007,23.019 r180 top
U1 "OPA4277" OPA4277_SOIC -28.194,-4.369 r180 top
U2 "DAC8728" DAC8728 -40.237,-42.255 r315 top
U3 "OPA4277" OPA4277_SOIC -28.194,-21.209 r180 top
U4 "OPA4376" OPA4376_TSSOP -117.627,-44.639 r90 top value=Value
U5 "OPA4376" OPA4376_TSSOP -128.854,-23.546 r90 top value=Value
U6 "ADUM1410ARWZ" ADUM1410ARWZ_SOIC -85.814,-83.75 r90 top
U7 "AM26LS32AC" AM26LS32AC_SOP -85.941,-95.339 r90 top
U8 "ADUM1410ARWZ" ADUM1410ARWZ_SOIC -105.143,-83.75 r90 top
U9 "AM26LS32AC" AM26LS32AC_SOP -105.27,-95.339 r90 top
U10 "ADUM1410ARWZ" ADUM1410ARWZ_SOIC -28.537,-83.674 r90 top
U11 "AM26LS32AC" AM26LS32AC_SOP -28.664,-95.263 r90 top
U12 "ADUM1410ARWZ" ADUM1410ARWZ_SOIC -9.461,-83.763 r90 top
U13 "AM26LS32AC" AM26LS32AC_SOP -9.588,-95.352 r90 top
U14 "ADUM1410ARWZ" ADUM1410ARWZ_SOIC -66.383,-83.75 r90 top value=0.1uF
U15 "AM26LS32AC" AM26LS32AC_SOP -66.51,-95.339 r90 top value=0.1uF (schematic designator C196)
U16 "ADUM1410ARWZ" ADUM1410ARWZ_SOIC -47.638,-83.75 r90 top
U17 "AM26LS32AC" AM26LS32AC_SOP -47.765,-95.339 r90 top
U18 "ISO3082" ISO3082_SOIC -197.637,-15.037 r180 top value=Value
U19 "ISO1050" ISO1050_SOIC -197.637,-0.838 r180 top value=Value
U20 "CP2102" CP2102_QFN28 -205.308,17.59 r270 top
U21 "CP2102" CP2102_QFN28 -94.818,13.919 r270 top
U22 "TLP284-4" TLP284-4 -201.397,-32.563 r180 top
U23 "TLP284-4" TLP284-4 -198.628,-83.083 r0 top
U24 "TLP284-4" TLP284-4 -201.397,-44.755 r180 top
U25 "TLP284-4" TLP284-4 -198.628,-96.037 r0 top
U26 "TLP284-4" TLP284-4 -201.397,-56.439 r180 top
U27 "TLP284-4" TLP284-4 -198.628,-107.785 r0 top
U28 "TLP284-4" TLP284-4 -201.397,-69.012 r180 top
U29 "TLP284-4" TLP284-4 -104.47,-9.931 r270 top
U30 "TLP284-4" TLP284-4 -92.888,-43.104 r270 top
U31 "SN74LVC16T245" SN74LVC16T245_TSSOP -156.642,-20.206 r90 top
U32 "CD74HC14" CD74HC14_SOIC -135.382,-80.099 r0 top value=Value
U33 "REF02_D_8" REF02_D_8 -63.271,-30.924 r180 top value=Value
U34 "OPA277" OPA277 -63.271,-39.014 r180 top value=Value
U35 "AOZ1016AI" AOZ1016AI -63.779,-20.599 r180 top
U36 "ACPL-454" ACPL-P454 -135.191,-101.892 r0 top
U37 "ACPL-454" ACPL-P454 -135.191,-95.225 r0 top
U38 "ACPL-454" ACPL-P454 -135.191,-88.849 r0 top
U39 "ACPL-454" ACPL-P454 -135.166,-58.143 r0 top
U40 "ACPL-454" ACPL-P454 -135.166,-64.727 r0 top
U41 "ACPL-454" ACPL-P454 -135.166,-71.31 r0 top
U42 "ACPL-454" ACPL-P454 -157.721,-101.892 r0 top
U43 "ACPL-454" ACPL-P454 -157.721,-95.225 r0 top
U44 "ACPL-454" ACPL-P454 -157.721,-88.849 r0 top
U45 "CD74HC14" CD74HC14_SOIC -157.924,-80.099 r0 top value=Value
U46 "ACPL-454" ACPL-P454 -157.721,-58.143 r0 top
U47 "ACPL-454" ACPL-P454 -157.721,-64.727 r0 top
U48 "ACPL-454" ACPL-P454 -157.721,-71.31 r0 top
U50 "AM26LS31CD" D016_N -135.255,-111.023 r0 top
U51 "AM26LS31CD" D016_N -135.179,-48.959 r0 top
U52 "AM26LS31CD" D016_N -157.721,-48.959 r0 top (schematic designator U14)
U53 "AM26LS31CD" D016_N -157.543,-111.023 r0 top (schematic designator U15)

## Footprints (in the part's own frame and the unit in brackets; to place one, negate y for a bottom-side part, rotate by r counter-clockwise, add the part's x,y. Pads: shape width x height; smd on the part's side, far side on the other; paste and mask are expansions set on the pad)
14-1210 [mm] "Chip Resistor, Body 3.2x2.5mm, IPC High Density"
  rect 1.1x2.6 smd: 1(-1.35,0) 2(1.35,0)
  silkscreen extent -0.4,-1.2 0.4,1.2, body extent -1.68,-1.32 1.68,1.32, height 0.9
0402-A [mm] "Chip Inductor, Body 1.0x0.5mm, IPC High Density"
  rect 0.6x0.5 smd: 1(-0.5,0) 2(0.5,0)
  silkscreen extent -1.1,-0.15 -1.1,0.15, body extent -0.55,-0.3 0.55,0.3, height 0.55
1608[0603] [mm] "Chip Capacitor, Body 1.6x0.8mm, IPC High Density"
  rect 0.8x0.9 smd: 1(-0.7,0) 2(0.7,0)
  body extent -0.87,-0.48 0.87,0.48, height 1.3
2029 [mm] "Chip Inductor, Body 2.0x1.2mm, IPC High Density"
  rect 1.2x1.4 smd: 1(-0.8,0) 2(0.8,0)
  body extent -1.1,-0.7 1.1,0.7, height 0.55
ACM3225-601-2P [mm] "ACM3225-601-2P"
  round 0.5 on Top Overlay: 1(-1.194,4.42)
  rect 1.5x1.1 smd: 1(0.75,3.2)
  rect 1.5x1.4 smd: 2(0.75,0.7) 3(3.85,0.7) 4(3.85,3.2)
  silkscreen extent -0.38,-0.36 4.95,4.14, body extent 0.7,0.7 3.9,3.2, height 2.3
ACPL-P454 [mm]
  oval 1.95x0.6 smd: 1(-4.375,1.27) 2(-4.375,0) 3(-4.375,-1.27) 4(4.375,-1.27) 5(4.375,0) 6(4.375,1.27)
  silkscreen extent -4.5,-2.4 3,2.4, body extent -3.4,-2.4 3.4,2.4, height 3.3
ADUM1410ARWZ_SOIC [mil]
  rect 90.5x22 smd: 1(56.75,400) 2(56.75,350) 3(56.75,300) 4(56.75,250) 5(56.75,200) 6(56.75,150) 7(56.75,100) 8(56.75,50) 9(413.25,50) 10(413.25,100) 11(413.25,150) 12(413.25,200) 13(413.25,250) 14(413.25,300) 15(413.25,350) 16(413.25,400)
  silkscreen extent 85,19 478,432, body extent 25,18 444,432, height 104
AM26LS32AC_SOP [mil]
  rect 85x22 smd: 1(52,395) 2(52,345) 3(52,295) 4(52,245) 5(52,195) 6(52,145) 7(52,95) 8(52,45) 9(318,45) 10(318,95) 11(318,145) 12(318,195) 13(318,245) 14(318,295) 15(318,345) 16(318,395)
  silkscreen extent 75,14 380,426, body extent 23,14 346,426, height 79
AOZ1016AI [mm]
  oval 1.45x0.6 smd: 1(-2.725,1.905) 2(-2.725,0.635) 3(-2.725,-0.635) 4(-2.725,-1.905) 5(2.725,-1.905) 6(2.725,-0.635) 7(2.725,0.635) 8(2.725,1.905)
  silkscreen extent -2.85,-2.5 1.6,2.88, body extent -2,-2.5 2,2.5, height 1.75